# Altium PCB 指纹锁PCB_2as.PcbDoc
Units mm, origin at the board's own origin, x right, y up, seen from the top; angles counter-clockwise.
Board outline 100.45 x 100.58 mm, 2 copper layers (Top Layer, Bottom Layer); 18 components, 40 nets, 155 pads, 2 vias.
Unrouted connection lines stored in the file: 4.
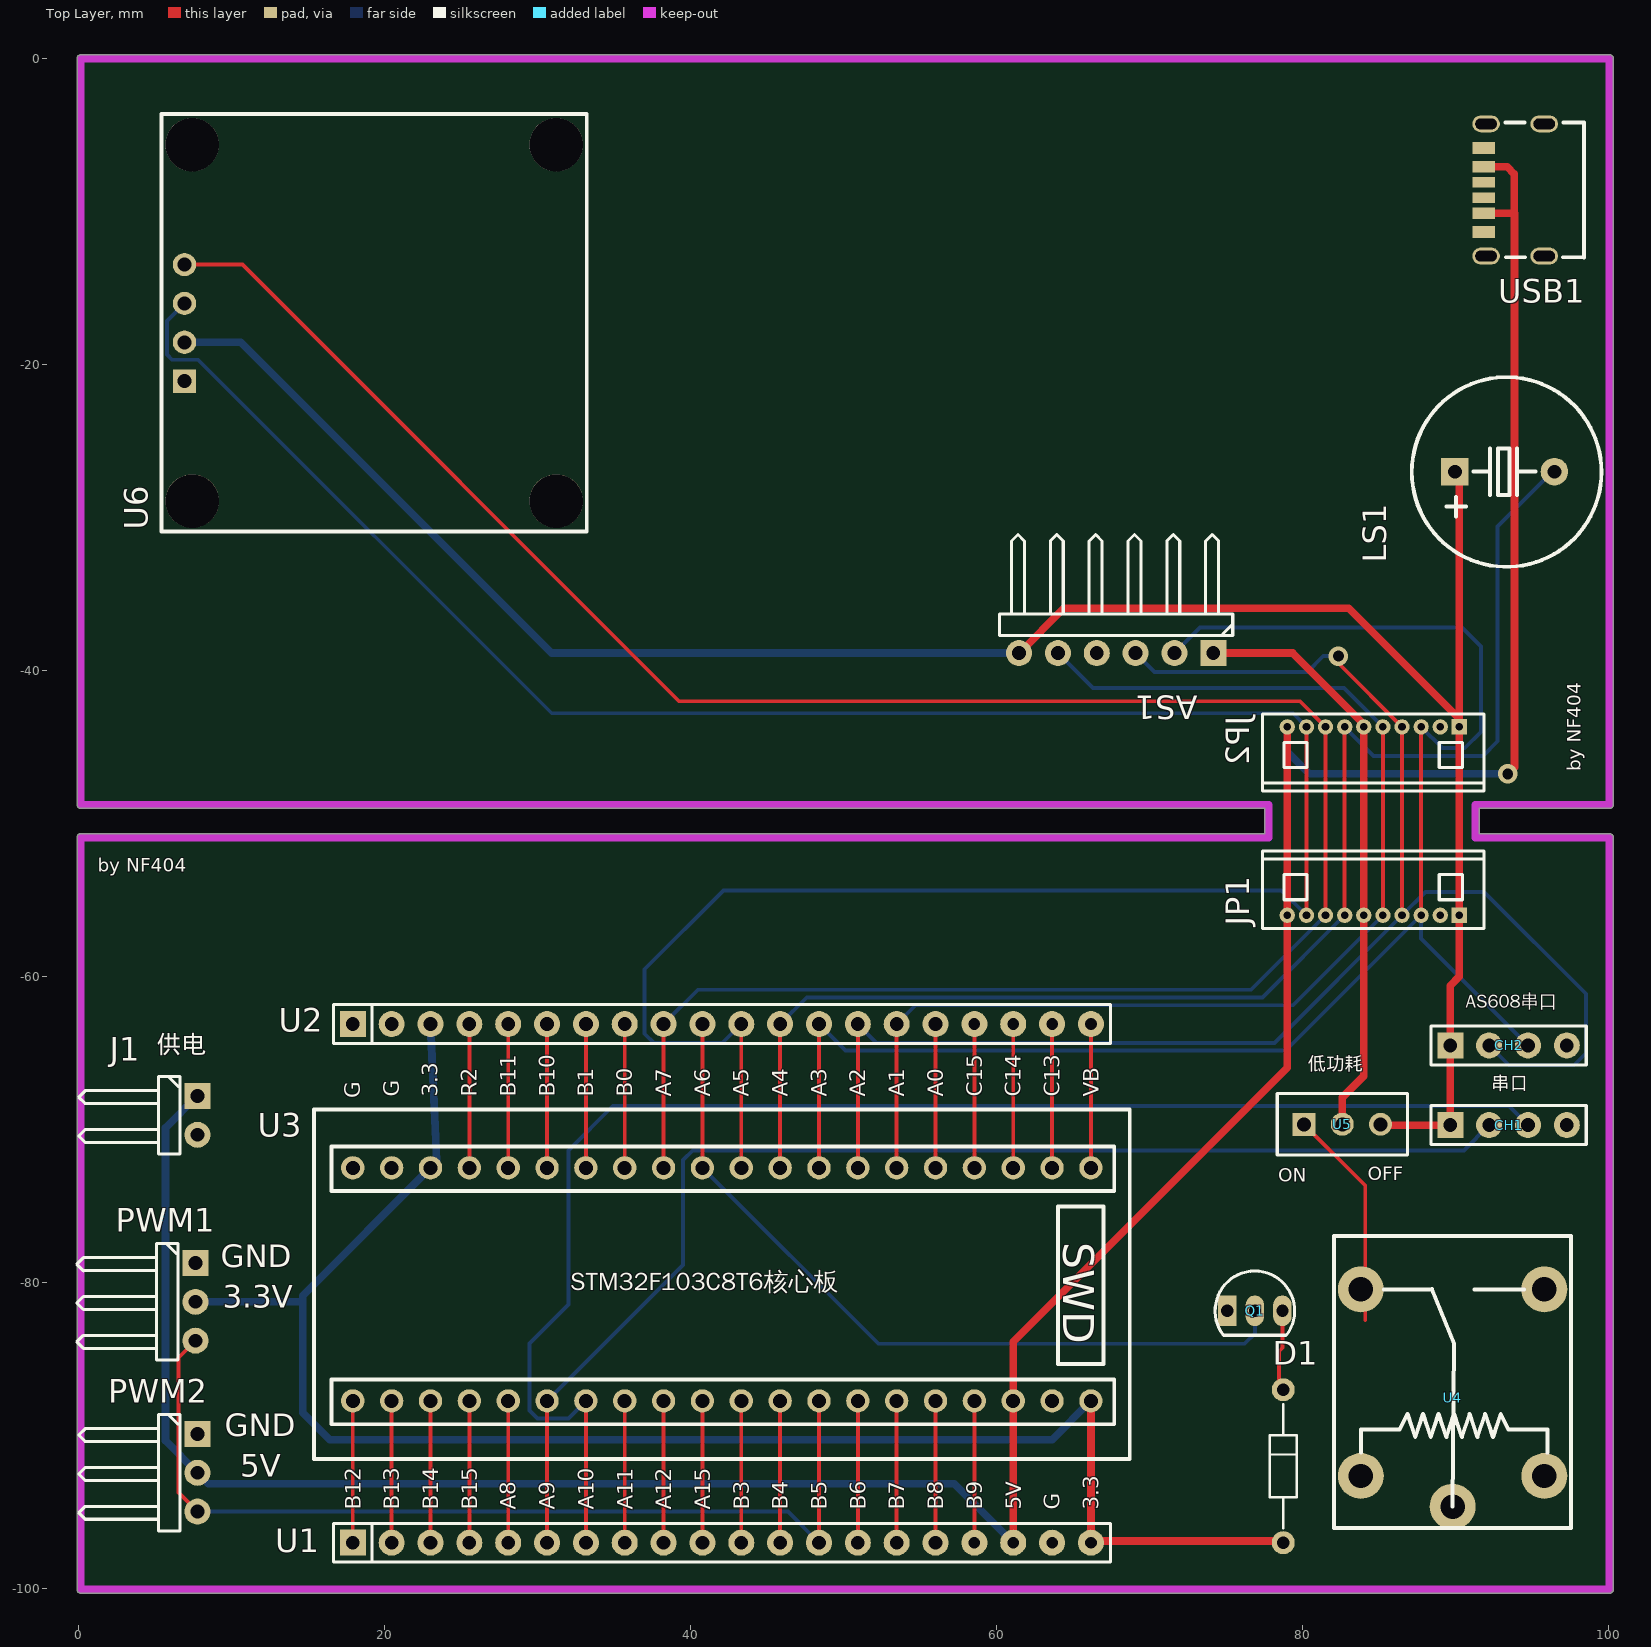
[diagram p0: Top Layer view]
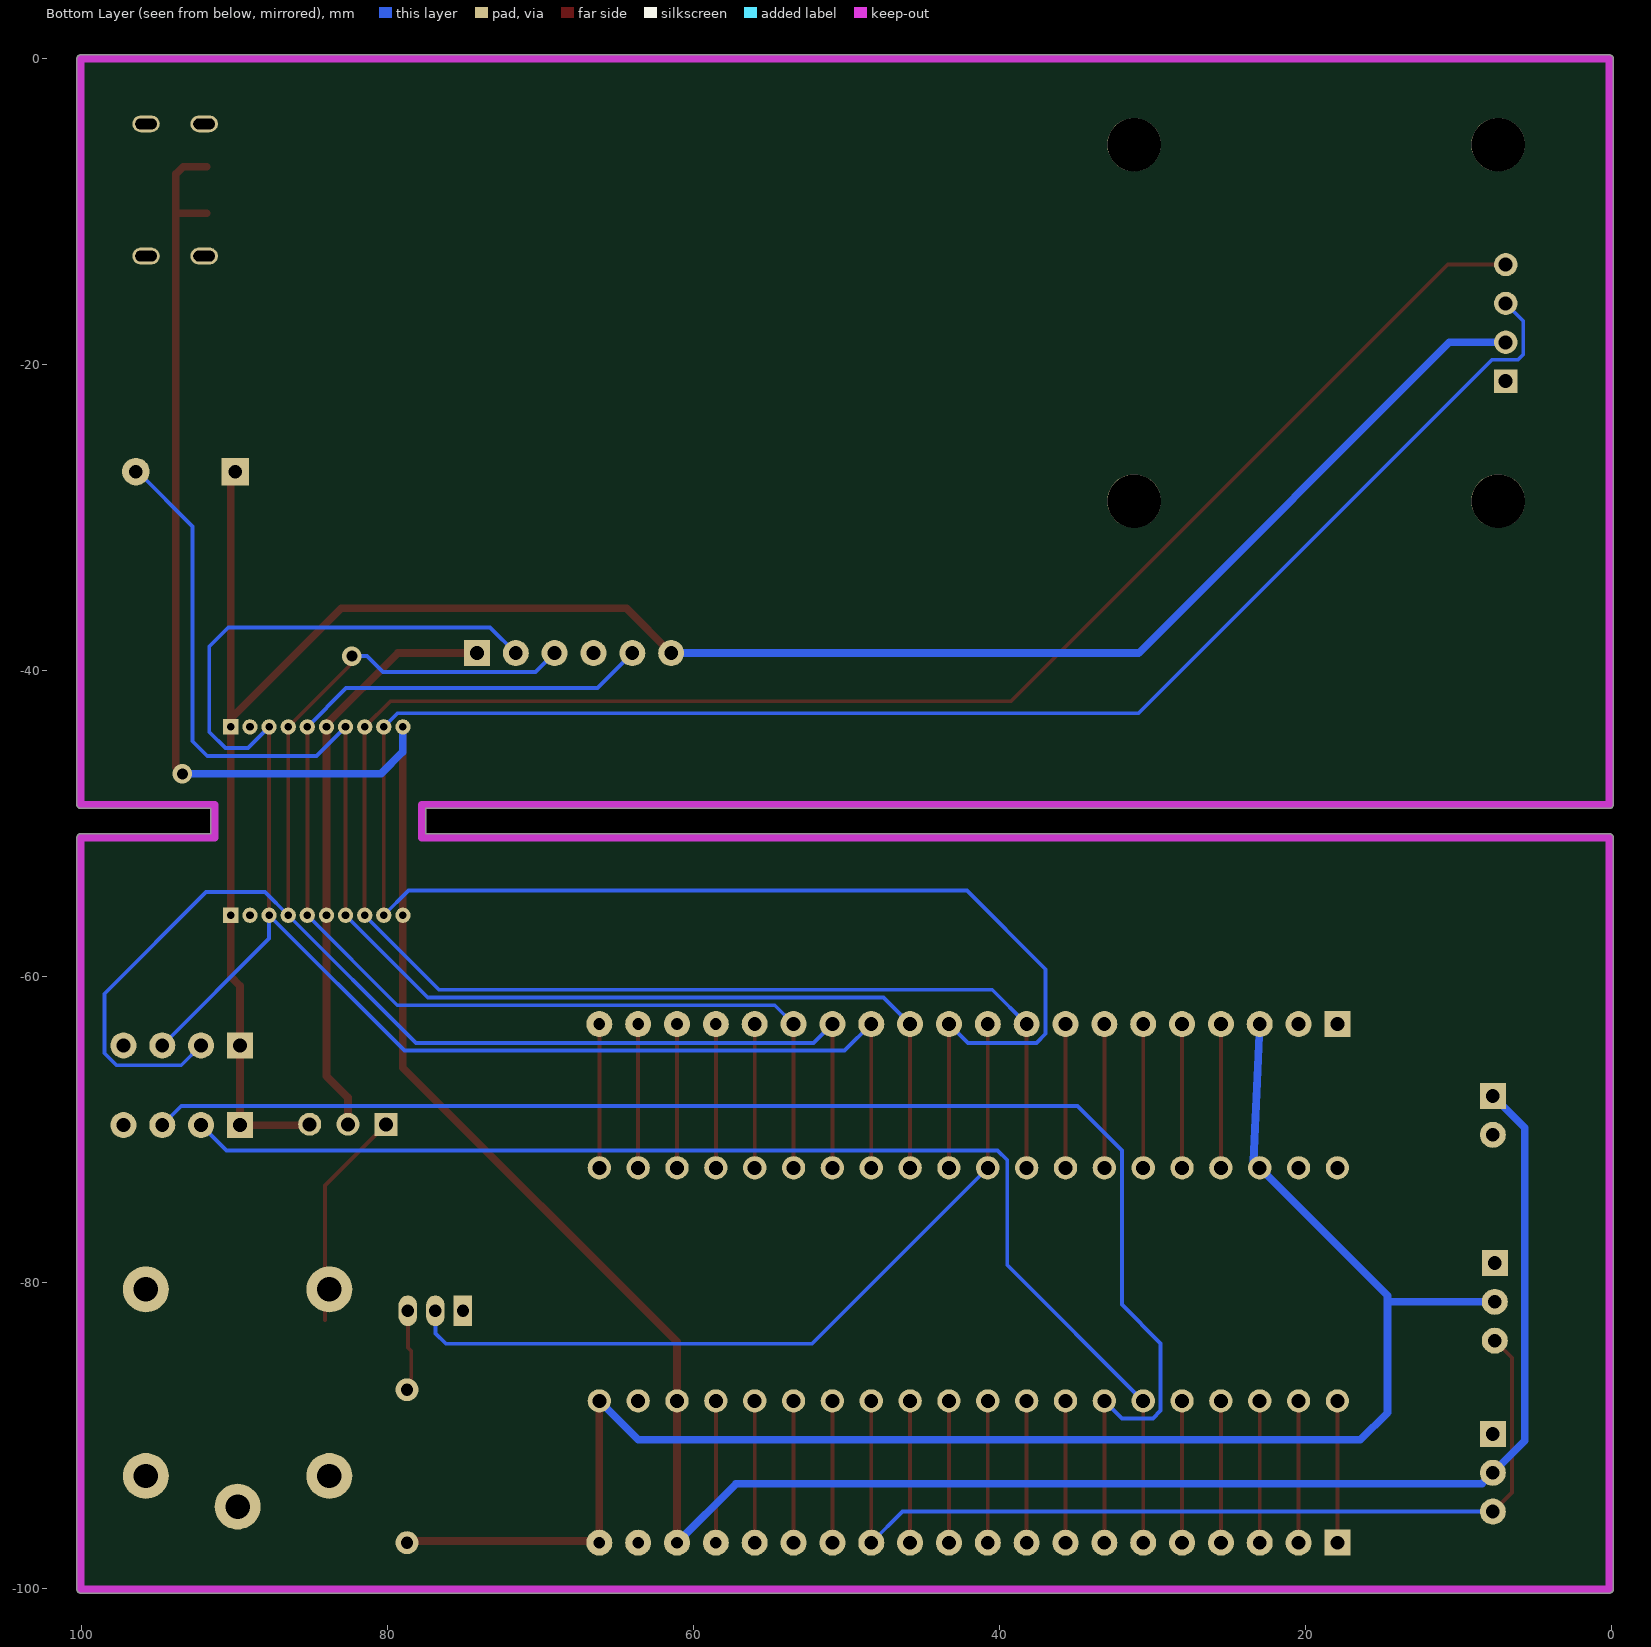
[diagram p1: Bottom Layer view, seen from below]

## Layer stack, top to bottom
Top Solder: solder mask 0.0102, Solder Resist, Dk 3.5
Top Layer: signal copper 0.0356
Dielectric 1: dielectric 0.32, FR-4, Dk 4.8
Bottom Layer: signal copper 0.0356
Bottom Solder: solder mask 0.0102, Solder Resist, Dk 3.5

## Board outline
0.127,-100.326 cw(c0.127,-100.076) -0.123,-100.076 -0.123,-50.927 cw(c0.127,-50.927) 0.127,-50.677 77.524,-50.677 77.524,-49.018 0.127,-49.018 cw(c0.127,-48.768) -0.123,-48.768 -0.123,0 cw(c0.127,0) 0.127,0.25 100.076,0.25 cw(c100.076,0) 100.326,0 100.326,-48.768 cw(c100.076,-48.768) 100.076,-49.018 91.563,-49.018 91.563,-50.677 100.076,-50.677 cw(c100.076,-50.927) 100.326,-50.927 100.326,-100.076 cw(c100.076,-100.076) 100.076,-100.326

## Design rules (kind name [scope] priority, off if disabled: settings)
Clearance [All] p1: gap=0.254
PolygonConnect [All] p1: connectstyle=Relief reliefconductorwidth=0.254 reliefentries=4 polygonreliefangle="90 Angle" airgapwidth=0.254
RoutingVias [All] p1: holewidth=0.711 width=1.27 viastyle="Through Hole" minholewidth=0.711 minwidth=1.27 maxholewidth=0.711 maxwidth=1.27
SolderMaskExpansion [All] p1: expansion=0.102
Width VCC [InNet('VCCKZ')] p1: maxlimit=1 minlimit=0.5 preferedwidth=0.5 minimp=50.000000 maximp=50.000000 favimp=50.000000
Width VCC-2 [InNet('VCC')] p2: maxlimit=1 minlimit=0.5 preferedwidth=0.5 minimp=50.000000 maximp=50.000000 favimp=50.000000
Width 5v_2 [InNet('5V')] p3: maxlimit=0.5 minlimit=0.3 preferedwidth=0.5 minimp=50.000000 maximp=50.000000 favimp=50.000000
Width 5V [InNet('5V')] p4: maxlimit=0.5 minlimit=0.3 preferedwidth=0.5 minimp=50.000000 maximp=50.000000 favimp=50.000000
Width ALL [All] p5: maxlimit=0.254 minlimit=0.254 preferedwidth=0.254
30 further rules are at their usual default settings.

## Classes and differential pairs
component class U_主控: 2 CH1 CH2 D1 J1 JP1 PWM1 PWM2 Q1 U1 U2 U3 U5
component class U_控制: AS1 JP2 LS1 U6 USB1

## Components (designator, comment, footprint, x,y, rotation, side; value= is the part's Value field where it differs from the comment)
AS1 "指纹识别模块" HDR2.54-WI-6P 67.818,-38.862 r180 top
CH1 "IIC" HDR2.54-LI-4P 93.472,-69.723 r0 top
CH2 "IIC" HDR2.54-LI-4P 93.472,-64.516 r0 top
D1 "1N4148" DO-35 78.74,-97.028 r90 top
J1 "供电" HDR2.54-WI-2P 7.747,-69.088 r270 top
JP1 "HDR-1X10" "MX 1.25-WI-10P" 84.622,-56.007 r180 top
JP2 "HDR-1X10" "MX 1.25-WI-10P" 84.622,-43.688 r180 top
LS1 "BEEP" "BEEP 6.5x12x6" 93.219,-27 r270 top
PWM1 "舵机控制" HDR2.54-WI-3P 7.62,-81.28 r270 top
PWM2 "舵机控制" HDR2.54-WI-3P 7.747,-92.456 r270 top
Q1 "SS8050" TO92A 76.886,-81.864 r270 top
U1 "排针20p" HDR2.54-M-LI-20P 42.037,-97.028 r0 top
U2 "排针20p" HDR2.54-M-LI-20P 42.037,-63.119 r0 top
U3 "STM32F103C8T6最小系统板" "PCBComponent_1 - duplicate" 47.727,-110.655 r270 top
U4 "SRD-5VDC" SRD-C_B 83.814,-92.666 r90 top
U5 "拨动开关" SS12D00G3 82.601,-69.672 r0 top
U6 "OLED" 0.96_OLED 19.304,-17.272 r90 top
USB1 "TYPE-C 6P" USB-C-SMD_10P-P1.00-L6.8-W8.9 93.828,-8.585 r180 top

## Footprints (in the part's own frame and the unit in brackets; to place one, negate y for a bottom-side part, rotate by r counter-clockwise, add the part's x,y. Pads: shape width x height; smd on the part's side, far side on the other; paste and mask are expansions set on the pad)
0.96_OLED [mil]
  rect 60x60 hole 36: 1(-150,488.19)
  round 60 hole 36: 2(-50,488.19) 3(50,488.19) 4(150,488.19)
  round 137.8 hole 137.8 unplated: ""(-458.66,468.5) ""(-458.66,-468.5) ""(458.66,468.5) ""(458.66,-468.5)
  silkscreen extent -537,-547 537,547
"BEEP 6.5x12x6" [mm] "6.5*12*6mm(脚距,直径,高度)            淘宝ID:黄晶宝石"
  rect 1.8x1.8 hole 0.9: 1(0,-3.25)
  round 1.8 hole 0.9: 2(0,3.25)
  silkscreen extent -6.17,-6.07 6.22,6.33, body extent -6,-6 6,6, height 6.05
DO-35 [mm]
  round 1.5 hole 0.8: 1(10,0) 2(0,0)
  silkscreen extent 0.94,-0.89 9.07,0.89, body extent -0.35,-0.88 10.34,0.88, height 1.75
HDR2.54-LI-4P [mm] "排针，4脚"
  rect 1.7x1.7 hole 0.9: 1(-3.81,0)
  round 1.7 hole 0.9: 2(-1.27,0) 3(1.27,0) 4(3.81,0)
  silkscreen extent -5.08,-1.27 5.08,1.27, body extent -5.08,-1.27 5.08,1.27, height 8.5
HDR2.54-M-LI-20P [mm] "排母，20脚"
  rect 1.7x1.7 hole 0.9: 1(-24.13,0)
  round 1.7 hole 0.9: 2(-21.59,0) 3(-19.05,0) 4(-16.51,0) 5(-13.97,0) 6(-11.43,0) 7(-8.89,0) 8(-6.35,0) 9(-3.81,0) 10(-1.27,0) 11(1.27,0) 12(3.81,0) 13(6.35,0) 14(8.89,0) 15(11.43,0) 16(13.97,0)
  round 1.7 hole 0.762: 17(16.51,0) 18(19.05,0) 19(21.59,0) 20(24.13,0)
  silkscreen extent -25.4,-1.27 25.4,1.27, body extent -25.4,-1.27 25.4,1.27, height 8.5
HDR2.54-WI-2P [mm] "弯脚排针，2脚    淘宝ID:黄晶宝石   店铺网址:https://shop463601444.taobao.com"
  rect 1.7x1.7 hole 0.9: 1(-1.27,0)
  round 1.7 hole 0.9: 2(1.27,0)
  silkscreen extent -2.54,-7.76 2.54,-1.14, body extent -2.54,-7.77 2.54,1.27, height 4.85
HDR2.54-WI-3P [mm] "弯脚排针，3脚"
  rect 1.7x1.7 hole 0.9: 1(-2.54,0)
  round 1.7 hole 0.9: 2(0,0) 3(2.54,0)
  silkscreen extent -3.81,-7.76 3.81,-1.14, body extent -3.81,-7.77 3.81,1.27, height 4.85
HDR2.54-WI-6P [mm] "弯脚排针，6脚"
  rect 1.7x1.7 hole 0.9: 1(-6.35,0)
  round 1.7 hole 0.9: 2(-3.81,0) 3(-1.27,0) 4(1.27,0) 5(3.81,0) 6(6.35,0)
  silkscreen extent -7.62,-7.76 7.62,-1.14, body extent -7.62,-7.77 7.62,1.27, height 4.85
"MX 1.25-WI-10P" [mm] "长：14.5mm，宽：1.8mm，高：3.3mm"
  rect 1x1 hole 0.5: 1(-5.635,0)
  round 1 hole 0.5: 2(-4.385,0) 3(-3.135,0) 4(-1.885,0) 5(-0.635,0) 6(0.615,0) 7(1.865,0) 8(3.115,0) 9(4.365,0) 10(5.615,0)
  silkscreen extent -7.24,-4.19 7.24,0.85, body extent -7.13,-4.05 7.13,0.85, height 3.35
"PCBComponent_1 - duplicate" [mil]
  round 60 hole 36: 1(-1501.5,726) 2(-1501.5,626) 3(-1501.5,526) 4(-1501.5,426) 5(-1501.5,326) 6(-1501.5,226) 7(-1501.5,126) 8(-1501.5,26) 9(-1501.5,-74) 10(-1501.5,-174) 11(-1501.5,-274) 12(-1501.5,-374) 13(-1501.5,-474) 14(-1501.5,-574) 15(-1501.5,-674) 16(-1501.5,-774) 17(-1501.5,-874) 18(-1501.5,-974) 19(-1501.5,-1074) 20(-1501.5,-1174) 21(-901.5,-1174) 22(-901.5,-1074) 23(-901.5,-974) 24(-901.5,-874) 25(-901.5,-774) 26(-901.5,-674) 27(-901.5,-574) 28(-901.5,-474) 29(-901.5,-374) 30(-901.5,-274) 31(-901.5,-174) 32(-901.5,-74) 33(-901.5,26) 34(-901.5,126) 35(-901.5,226) 36(-901.5,326) 37(-901.5,426) 38(-901.5,526) 39(-901.5,626) 40(-901.5,726)
  silkscreen extent -1652,-1274 -751,826
SRD-C_B [mm] "单刀单投/常闭"
  round 3 hole 1.6: 2(0,-12) 3(0,0) 4(12.2,0) 5(-2,-6) 5(12.2,-12)
  silkscreen extent -3.4,-13.75 15.7,1.75, body extent -3.4,-13.75 15.7,1.75, height 15.6
SS12D00G3 [mil]
  rect 59x59 hole 36: 1(-98.42,-0.01)
  round 59 hole 36: 2(-0.04,0.04) 3(98.46,0.04)
  silkscreen extent -167,-79 167,79
TO92A [mm] "92晶体管  封装库来自淘宝卖家 ID：黄晶宝石"
  rect 2x1.2 hole 0.8: 1(0,-1.8)
  oval 2x1.2 hole 0.8: 2(0,0) 3(0,1.8)
  silkscreen extent -2.6,-2.6 1.6,2.6, body extent -2.3,-2.3 1.3,2.3, height 7.6
USB-C-SMD_10P-P1.00-L6.8-W8.9 [mil]
  oval 70.82x43.31 hole 27.56 slot 55.16 at 0 deg: 0(-77.76,170.08) 0(-77.76,-170.08) 0(71.84,170.08) 0(71.84,-170.08)
  rect 59x31.5 smd: 1(77.76,108.25) 6(77.76,-108.25)
  rect 59x29.9 smd: 2(77.76,59.85) 5(77.76,-59.85)
  rect 59x27.6 smd: 3(77.76,19.7) 4(77.76,-19.7)
  silkscreen extent -180,-174 22,174, body extent -182,-171 85,181, height 127

## Part data
D1: "开关二极管"
JP1 JP2: library part "Header 10", "10P接插件"

## Via types
v1: diameter 1.27, hole 0.711, Top Layer to Bottom Layer, 2 vias

## Nets (pads, with @x,y where several pads share a name; then routed paths per layer and width w, separated by ;. In a path a pad name is that pad's centre, name@x,y a point inside that pad or via, vN(x,y) a via of type N, cw(c..) or ccw(c..) an arc to the next point about the centre after c; other vN are vias at no path point)
5V: J1.1 JP1.10 JP2.10 PWM2.2 U1.18 U3.38 USB1.2 USB1.5 | length 202.9
  Top Layer w0.5: U1.18 U3.38 61.087,-83.896 79.007,-65.976 JP1.10 JP2.10 ; USB1.2 93.853,-10.105 ; USB1.5 93.374,-7.065 93.853,-7.544 93.853,-10.105 ; v1(93.421,-46.761) 93.857,-46.326 93.857,-10.105 93.853,-10.105 ; 93.853,-10.389 93.853,-10.105
  Bottom Layer w0.5: J1.1 5.664,-69.901 5.664,-90.373 PWM2.2 8.458,-93.167 57.226,-93.167 U1.18 ; JP2.10 79.007,-45.327 80.442,-46.761 v1(93.421,-46.761)
GND: AS1.4 CH1.4 CH2.4 J1.2 JP1.2 JP2.2 PWM1.1 PWM2.1 Q1.1 U1.19 U2.1 U2.2 U3.19 U3.20 U3.39 U4.5@89.814,-94.666 U6.1 USB1.1 USB1.6
NetD1_1: D1.1 Q1.3 U4.3 | length 5.1
  Top Layer w0.254: D1.1@78.461,-86.919 78.461,-84.506 78.686,-84.281 Q1.3
NetU1_1: U1.1 U3.21 | length 9.3
  Top Layer w0.254: U1.1 U3.21
NetU1_2: U1.2 U3.22 | length 9.3
  Top Layer w0.254: U1.2 U3.22
NetU1_3: U1.3 U3.23 | length 9.3
  Top Layer w0.254: U1.3 U3.23
NetU1_4: U1.4 U3.24 | length 9.3
  Top Layer w0.254: U1.4 U3.24
NetU1_5: U1.5 U3.25 | length 9.3
  Top Layer w0.254: U1.5 U3.25
NetU1_8: U1.8 U3.28 | length 9.3
  Top Layer w0.254: U1.8 U3.28
NetU1_9: U1.9 U3.29 | length 9.3
  Top Layer w0.254: U1.9 U3.29
NetU1_10: U1.10 U3.30 | length 9.3
  Top Layer w0.254: U1.10 U3.30
NetU1_11: U1.11 U3.31 | length 9.3
  Top Layer w0.254: U1.11 U3.31
NetU2_4: U2.4 U3.17 | length 9.4
  Top Layer w0.254: U3.17 U2.4
NetU2_5: U2.5 U3.16 | length 9.4
  Top Layer w0.254: U3.16 U2.5
NetU2_6: U2.6 U3.15 | length 9.4
  Top Layer w0.254: U3.15 U2.6
NetU2_7: U2.7 U3.14 | length 9.4
  Top Layer w0.254: U3.14 U2.7
NetU2_8: U2.8 U3.13 | length 9.4
  Top Layer w0.254: U3.13 U2.8
NetU2_16: U2.16 U3.5 | length 9.4
  Top Layer w0.254: U3.5 U2.16
NetU2_17: U2.17 U3.4 | length 9.4
  Top Layer w0.254: U3.4 U2.17
NetU2_18: U2.18 U3.3 | length 9.4
  Top Layer w0.254: U3.3 U2.18
NetU2_19: U2.19 U3.2 | length 9.4
  Top Layer w0.254: U3.2 U2.19
NetU2_20: U2.20 U3.1 | length 9.4
  Top Layer w0.254: U3.1 U2.20
NetU4_4: U4.4 U5.1 | length 14.5
  Top Layer w0.254: U5.1 84.099,-73.671 84.099,-82.474
PA1: AS1.5 JP1.5 JP2.5 U2.15 U3.6 | length 79.7
  Top Layer w0.254: U3.6 U2.15 ; JP1.5 JP2.5
  Bottom Layer w0.254: U2.15 54.698,-61.888 79.376,-61.888 JP1.5 ; AS1.5 66.294,-41.148 82.717,-41.148 JP2.5
PA2: AS1.3 CH2.2 JP1.4 JP2.4 U2.14 U3.7 | length 108.3
  Top Layer w0.254: U3.7 U2.14 ; v1(82.347,-39.065) 82.347,-39.528 JP2.4 86.507,-49.86 JP1.4
  Bottom Layer w0.254: U2.14 52.158,-64.35 78.164,-64.35 JP1.4 88.031,-54.483 91.872,-54.483 98.527,-61.138 98.527,-65.024 97.739,-65.811 93.497,-65.811 CH2.2 ; AS1.3 70.333,-40.107 80.315,-40.107 81.356,-39.065 v1(82.347,-39.065)
PA3: AS1.2 CH2.3 JP1.3 JP2.3 U2.13 U3.8 | length 108.6
  Top Layer w0.254: U3.8 U2.13 ; JP1.3 87.757,-49.86 JP2.3
  Bottom Layer w0.254: U2.13 50.126,-64.858 78.906,-64.858 JP1.3 87.757,-57.531 CH2.3 ; AS1.2 73.304,-37.186 90.424,-37.186 91.669,-38.43 91.669,-44.018 90.61,-45.077 89.146,-45.077 JP2.3
PA4: JP1.7 JP2.7 LS1.2 U2.12 U3.9 | length 91.9
  Top Layer w0.254: U3.9 U2.12 ; JP1.7 82.757,-49.86 JP2.7
  Bottom Layer w0.254: U2.12 47.586,-61.38 77.384,-61.38 JP1.7 ; JP2.7 82.753,-43.692 84.646,-45.585 91.804,-45.585 92.761,-44.628 92.761,-30.58 LS1.2@96.341,-27
PA5: JP1.9 JP2.9 U2.11 U3.10 U6.3 | length 167.5
  Top Layer w0.254: U3.10 U2.11 ; JP1.9 JP2.9
  Bottom Layer w0.254: U6.3 5.761,-17.145 5.761,-19.35 6.096,-19.685 7.798,-19.685 30.912,-42.799 79.368,-42.799 JP2.9 ; U2.11 42.062,-64.364 37.592,-64.364 36.982,-63.754 36.982,-59.538 42.139,-54.381 78.631,-54.381 JP1.9
PA6: Q1.2 U2.10 U3.11 | length 52
  Top Layer w0.254: U3.11 U2.10
  Bottom Layer w0.254: U3.11 52.273,-84.023 76.2,-84.023 76.886,-83.337 Q1.2
PA7: JP1.8 JP2.8 U2.9 U3.12 U6.4 | length 155.1
  Top Layer w0.254: U6.4 10.693,-13.462 39.243,-42.012 79.831,-42.012 JP2.8 JP1.8 ; U3.12 U2.9
  Bottom Layer w0.254: U2.9 40.474,-60.872 76.642,-60.872 JP1.8
PB4: U1.12 U3.32 | length 9.3
  Top Layer w0.254: U1.12 U3.32
PB5: PWM1.3 PWM2.3 U1.13 U3.33 | length 62.9
  Top Layer w0.254: PWM1.3 6.502,-84.938 6.502,-93.751 PWM2.3 ; U1.13 U3.33
  Bottom Layer w0.254: PWM2.3 46.355,-94.996 U1.13
PB6: U1.14 U3.34 | length 9.3
  Top Layer w0.254: U1.14 U3.34
PB7: U1.15 U3.35 | length 9.3
  Top Layer w0.254: U1.15 U3.35
PB8: U1.16 U3.36 | length 9.3
  Top Layer w0.254: U1.16 U3.36
PB9: U1.17 U3.37 | length 9.3
  Top Layer w0.254: U1.17 U3.37
RXD: CH1.2 U1.6 U3.26 | length 82.4
  Top Layer w0.254: U1.6 U3.26
  Bottom Layer w0.254: U3.26 39.497,-78.867 39.497,-72.009 40.132,-71.374 90.551,-71.374 CH1.2
TXD: CH1.3 U1.7 U3.27 | length 96.2
  Top Layer w0.254: U1.7 U3.27
  Bottom Layer w0.254: U3.27 32.004,-88.9 29.972,-88.9 29.464,-88.392 29.464,-83.998 32.004,-81.458 32.004,-71.374 34.9,-68.478 93.497,-68.478 CH1.3
VCC: AS1.6 CH1.1 CH2.1 D1.2 JP1.1 JP2.1 LS1.1 PWM1.2 U1.20 U2.3 U3.18 U3.40 U4.2 U4.5@95.814,-80.466 U5.3 U6.2 | length 255
  Top Layer w0.5: AS1.6 64.389,-35.941 83.033,-35.941 90.257,-43.165 ; U3.40 U1.20 66.276,-96.919 78.461,-96.919 D1.2@78.706,-96.674 ; U5.3 85.153,-69.723 CH1.1 CH2.1 89.662,-60.604 90.257,-60.009 JP1.1 JP2.1 90.257,-43.165 ; LS1.1 90.257,-27.288 90.257,-43.165
  Bottom Layer w0.5: U6.2 10.592,-18.542 30.912,-38.862 AS1.6 ; PWM1.2 14.58,-81.28 14.63,-81.331 ; U2.3 23.393,-72.111 U3.18 14.63,-80.874 14.63,-81.331 ; U3.40 63.627,-90.297 16.408,-90.297 14.63,-88.519 14.63,-81.331
VCCKZ: AS1.1 JP1.6 JP2.6 U5.2 | length 38.5
  Top Layer w0.5: AS1.1 79.351,-38.862 84.007,-43.518 JP2.6 JP1.6 84.007,-66.513 82.6,-67.921 U5.2
pads on no net: U6. USB1.0 USB1.3 USB1.4

## Keep-outs
Keep-Out Layer:
  lines w0.5: 74.041,-48.768 77.775,-48.768 77.775,-50.927 74.295,-50.927 0.127,-50.927 0.127,-100.076 100.076,-100.076 100.076,-50.927 91.313,-50.927 91.313,-48.768 100.076,-48.768 100.076,0 0.127,0 0.127,-48.768 74.295,-48.768

## Silkscreen, mask and mechanical layers (free items; w line width, h text height)
Top Overlay:
  text "by NF404" at 98.501,-46.584 h1.5 r90
  text "by NF404" at 1.219,-53.442 h1.5
  text "AS608串口" at 90.678,-62.357 h1.5
  text "供电" at 5.08,-65.405 h2.03
  text "低功耗" at 80.34,-66.421 h1.5
  text "串口" at 92.329,-67.691 h1.5
  text "OFF" at 84.252,-73.635 h1.5
  text "ON" at 78.41,-73.736 h1.5
  text "GND" at 9.271,-79.502 h2.52
  text "3.3V" at 9.398,-82.169 h2.52
  text "GND" at 9.525,-90.551 h2.52
  text "5V" at 10.541,-93.218 h2.52

## Text inside footprints (layer, text, board x,y; h text height)
U3: Top Overlay "SWD" at 64.364,-77.381 h2.03 r270; Top Overlay "G" at 18.39,-67.983 h1.02 r90; Top Overlay "3.3" at 23.472,-67.856 h1.02 r90; Top Overlay "R2" at 26.014,-67.856 h1.02 r90; Top Overlay "B11" at 28.555,-67.856 h1.02 r90; Top Overlay "B10" at 31.096,-67.856 h1.02 r90; Top Overlay "B1" at 33.638,-67.856 h1.02 r90; Top Overlay "B0" at 36.179,-67.856 h1.02 r90; Top Overlay "A7" at 38.72,-67.856 h1.02 r90; Top Overlay "A6" at 41.262,-67.856 h1.02 r90; Top Overlay "A5" at 43.803,-67.856 h1.02 r90; Top Overlay "A4" at 46.344,-67.856 h1.02 r90; Top Overlay "A3" at 48.886,-67.856 h1.02 r90; Top Overlay "A2" at 51.427,-67.856 h1.02 r90; Top Overlay "A1" at 53.968,-67.856 h1.02 r90; Top Overlay "A0" at 56.51,-67.856 h1.02 r90; Top Overlay "C15" at 59.051,-67.856 h1.02 r90; Top Overlay "C14" at 61.592,-67.856 h1.02 r90; Top Overlay "C13" at 64.134,-67.856 h1.02 r90; Top Overlay "VB" at 66.675,-67.856 h1.02 r90; Top Overlay "B12" at 18.415,-94.869 h1.02 r90; Top Overlay "B13" at 20.955,-94.869 h1.02 r90; Top Overlay "B14" at 23.495,-94.869 h1.02 r90; Top Overlay "B15" at 26.035,-94.869 h1.02 r90; Top Overlay "A8" at 28.575,-94.869 h1.02 r90; Top Overlay "A9" at 31.115,-94.869 h1.02 r90; Top Overlay "A10" at 33.655,-94.869 h1.02 r90; Top Overlay "A11" at 36.195,-94.869 h1.02 r90; Top Overlay "A12" at 38.735,-94.869 h1.02 r90; Top Overlay "A15" at 41.275,-94.869 h1.02 r90; Top Overlay "B3" at 43.815,-94.869 h1.02 r90; Top Overlay "B4" at 46.355,-94.869 h1.02 r90; Top Overlay "B5" at 48.895,-94.869 h1.02 r90; Top Overlay "B6" at 51.435,-94.869 h1.02 r90; Top Overlay "B7" at 53.975,-94.869 h1.02 r90; Top Overlay "B8" at 56.515,-94.869 h1.02 r90; Top Overlay "B9" at 59.055,-94.869 h1.02 r90; Top Overlay "5V" at 61.595,-94.869 h1.02 r90; Top Overlay "G" at 64.135,-94.869 h1.02 r90; Top Overlay "3.3" at 66.675,-94.869 h1.02 r90; Top Overlay "STM32F103C8T6核心板" at 32.131,-80.899 h2.03; Top Overlay "G" at 20.931,-67.856 h1.02 r90